# Altium PCB Velvet ADC v2.0.PcbDoc
Units mm, origin at the board's own origin, x right, y up, seen from the top; angles counter-clockwise.
Board outline 103.38 x 78.38 mm, 4 copper layers (Top Layer, INT1, INT2, Bottom Layer), stack 1.46 mm thick; 94 components, 47 nets, 293 pads, 88 vias.
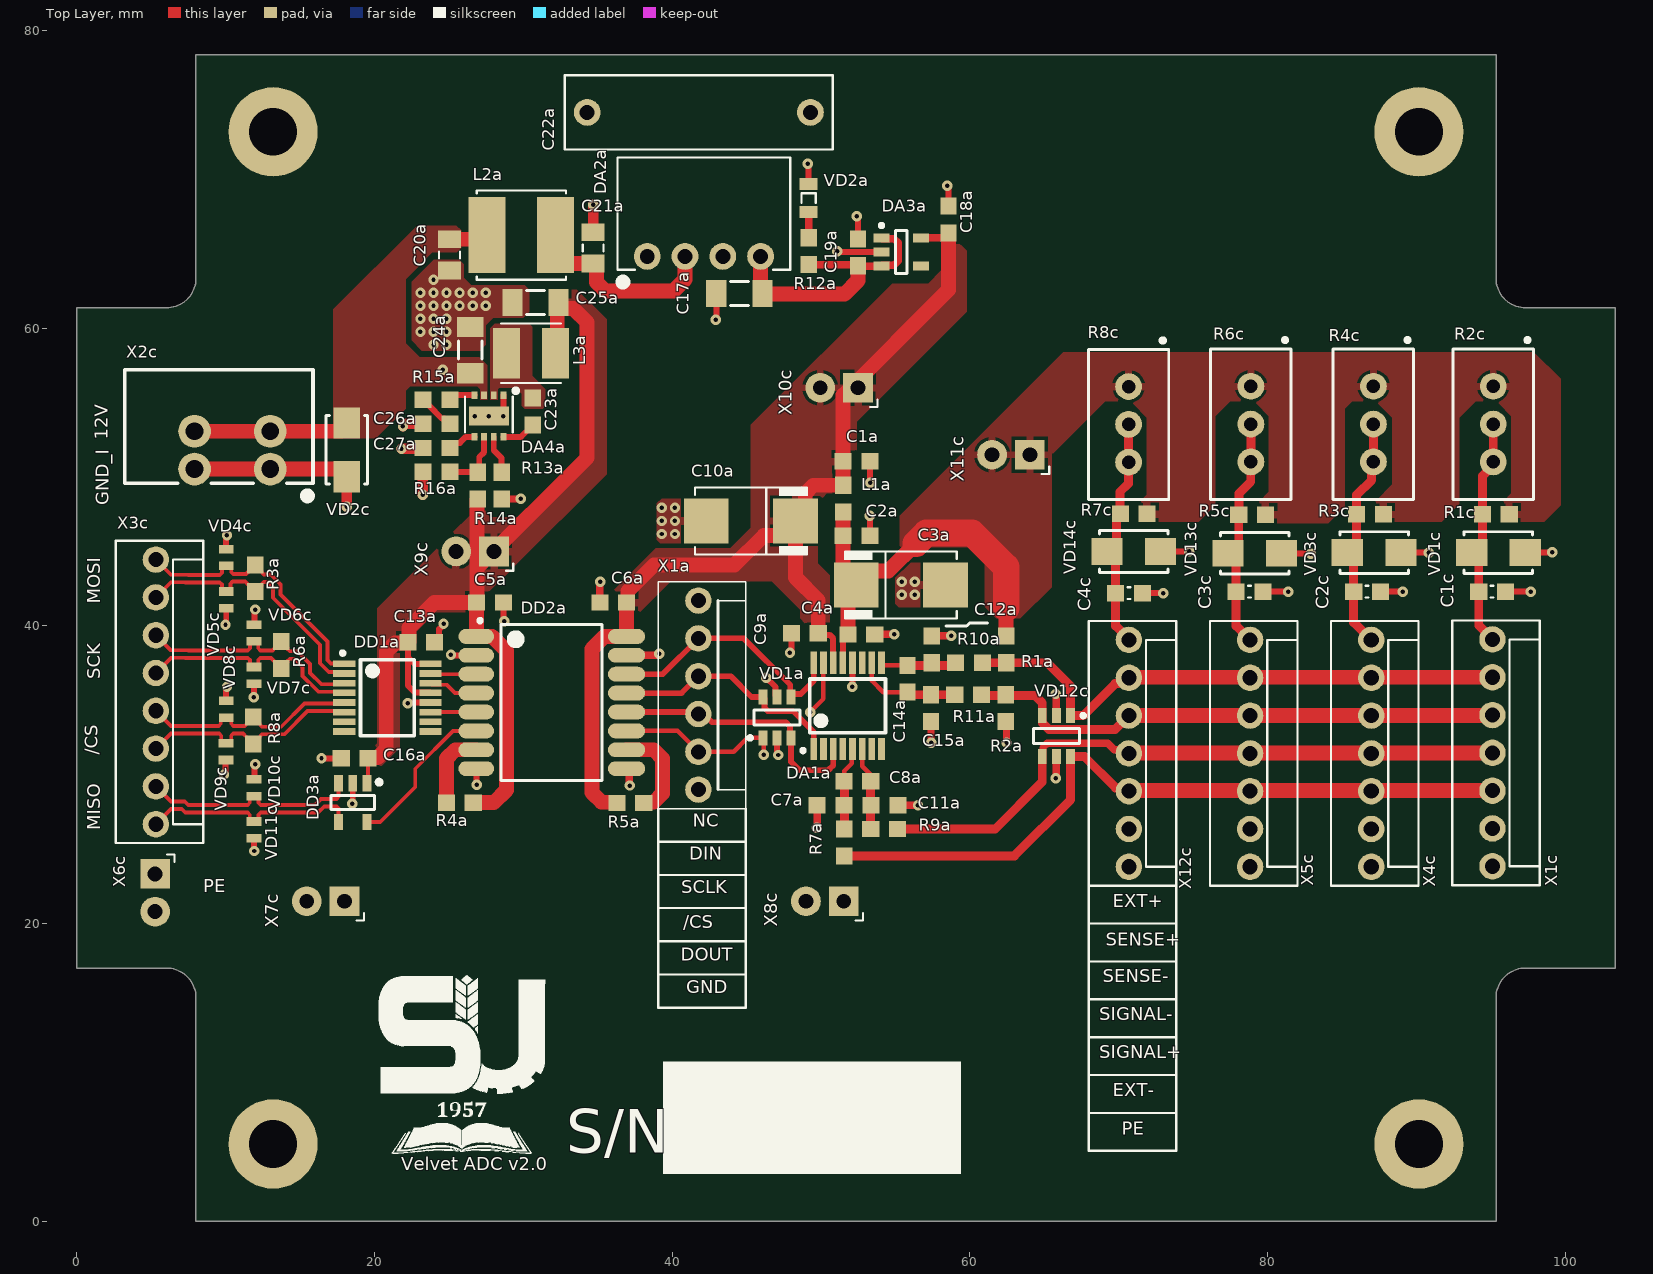
[diagram p0: Top Layer view]
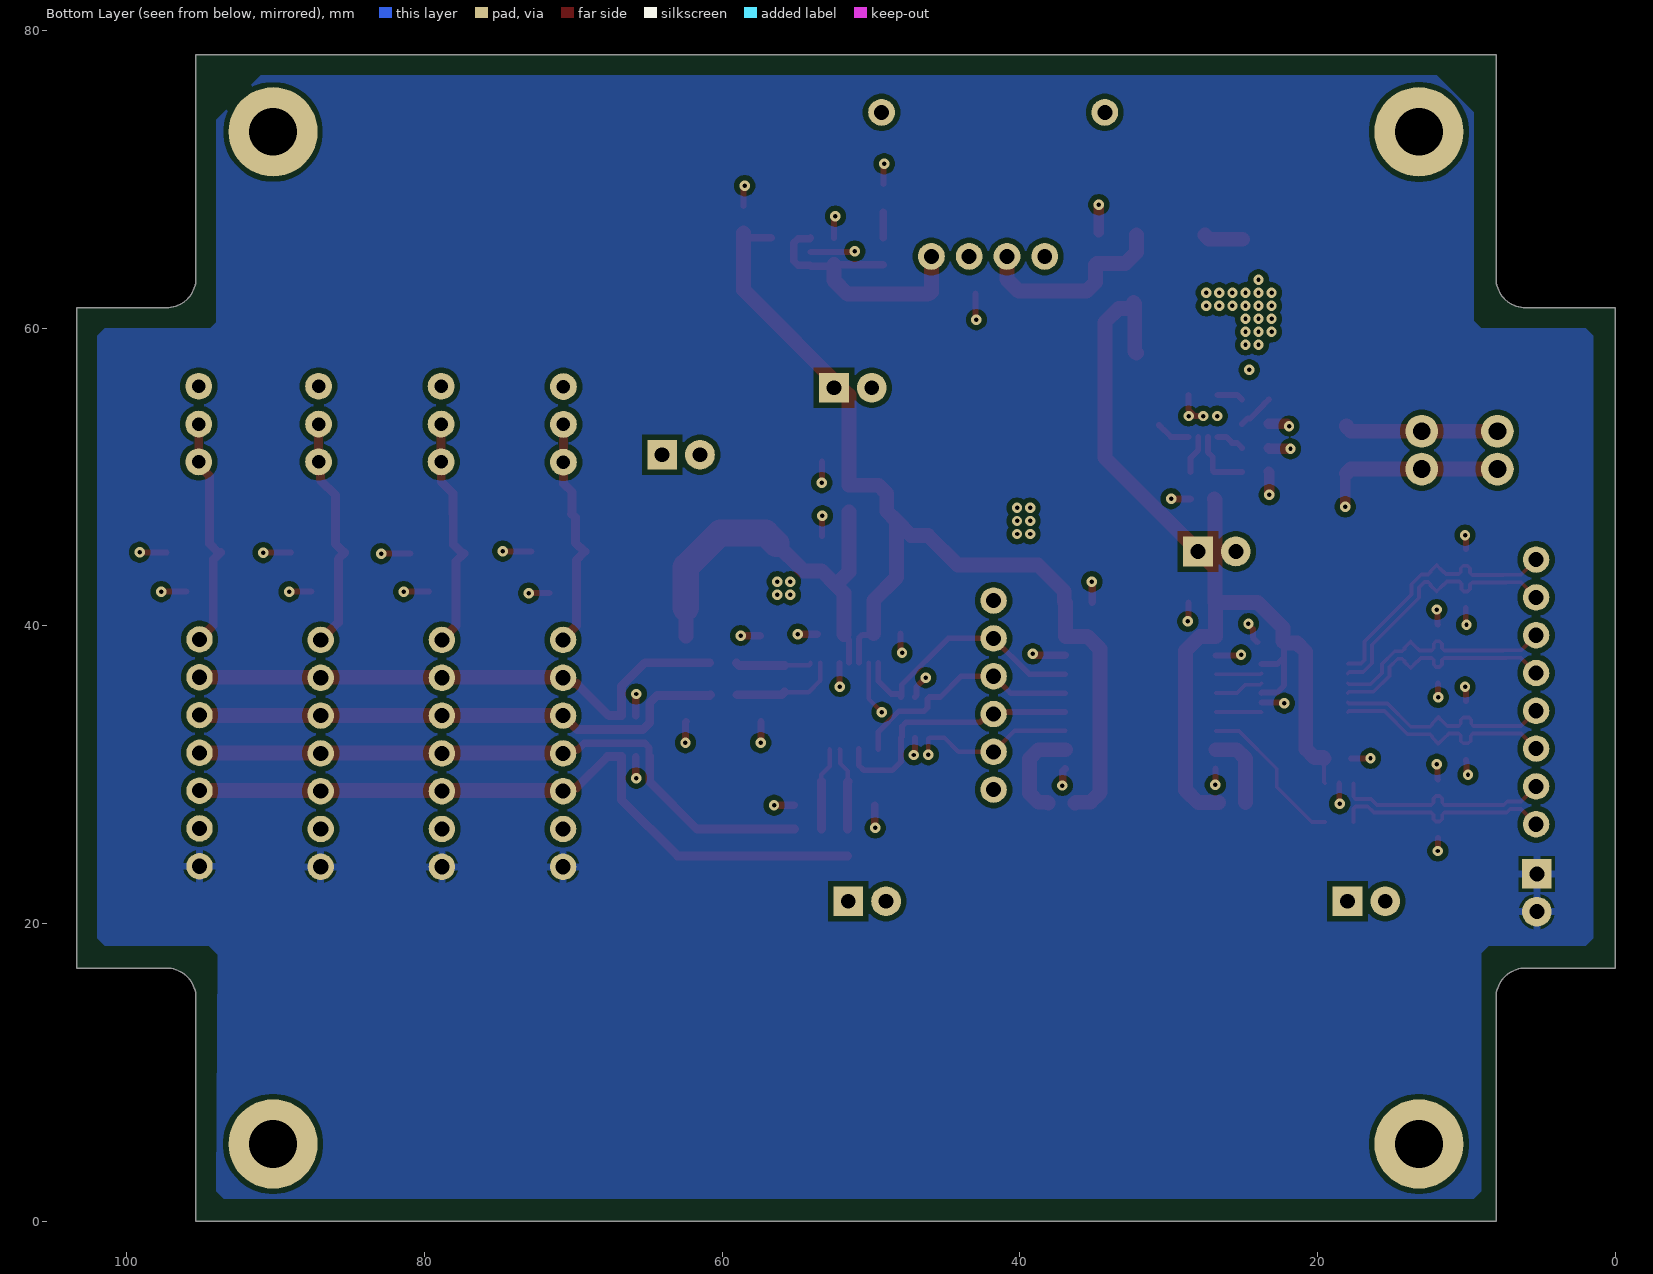
[diagram p1: Bottom Layer view, seen from below]
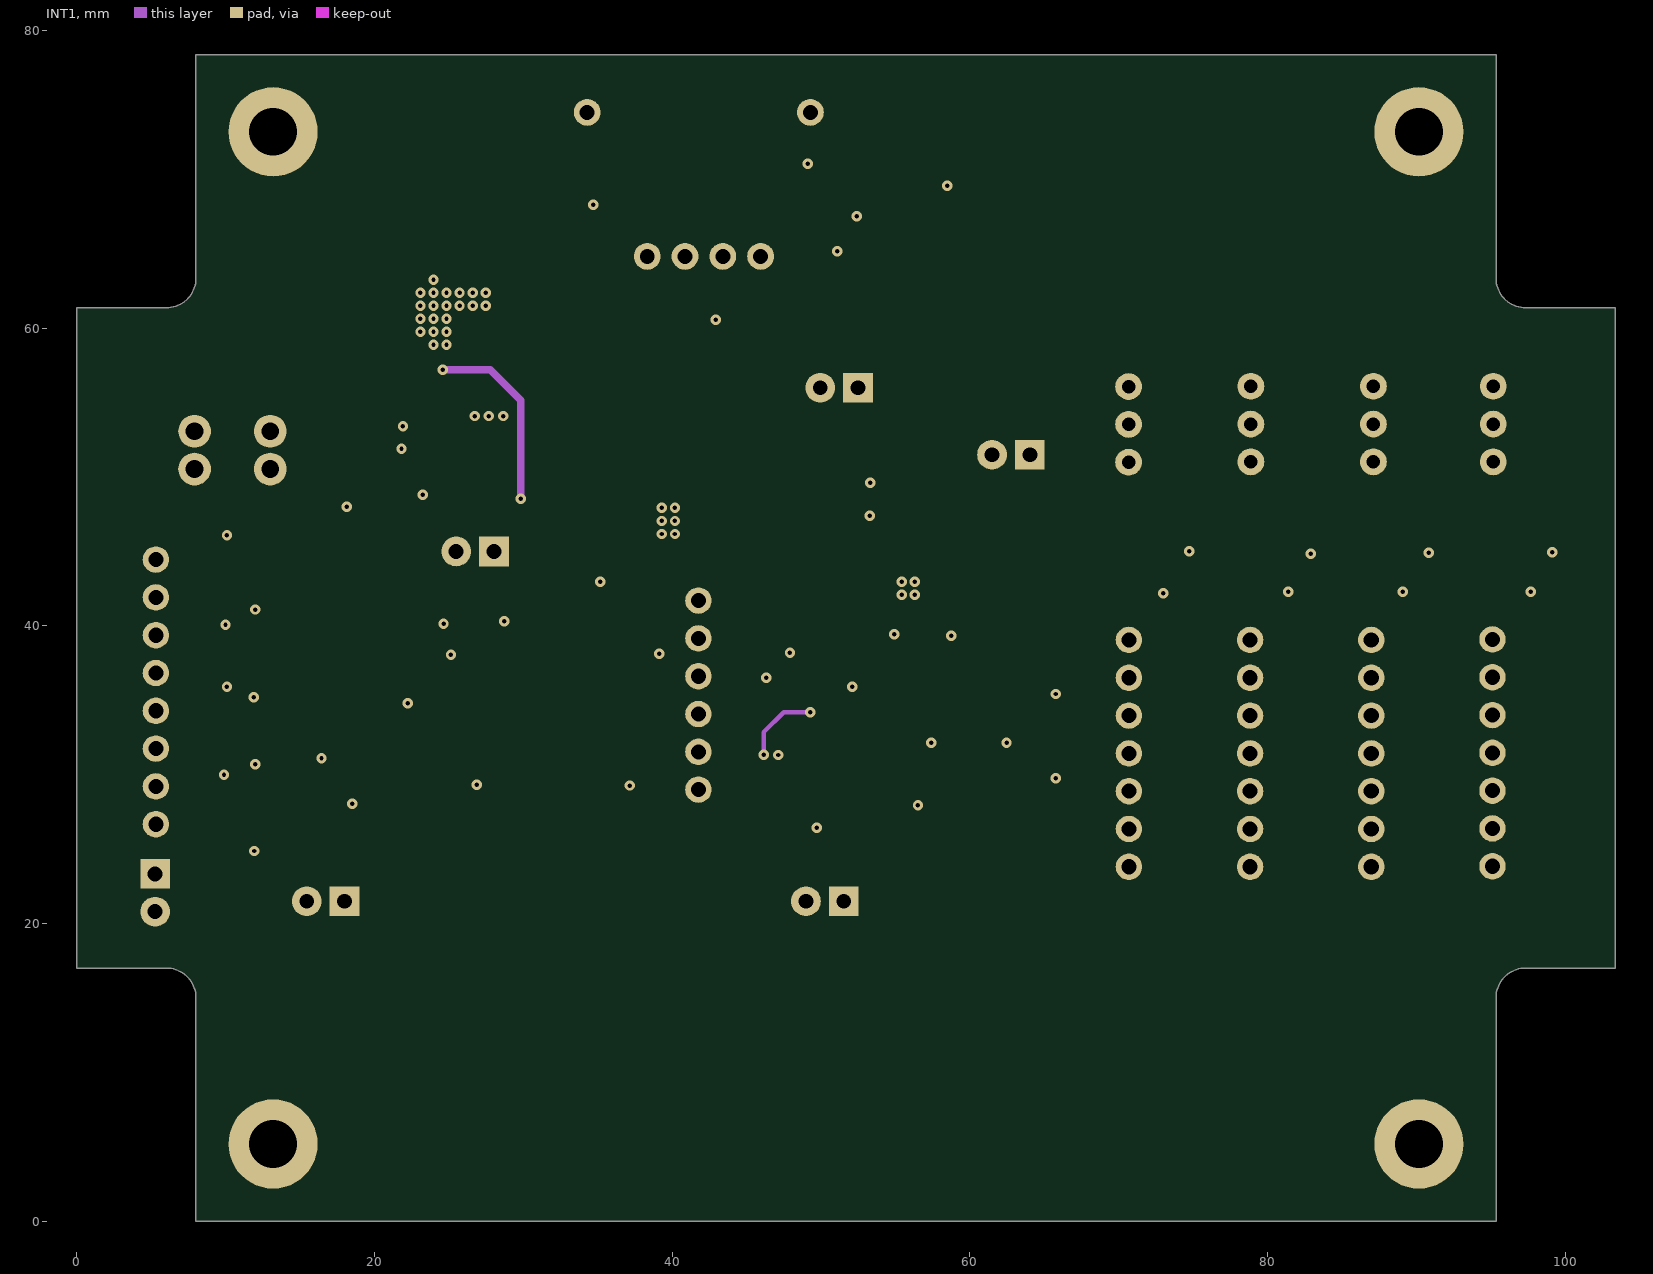
[diagram p2: INT1]
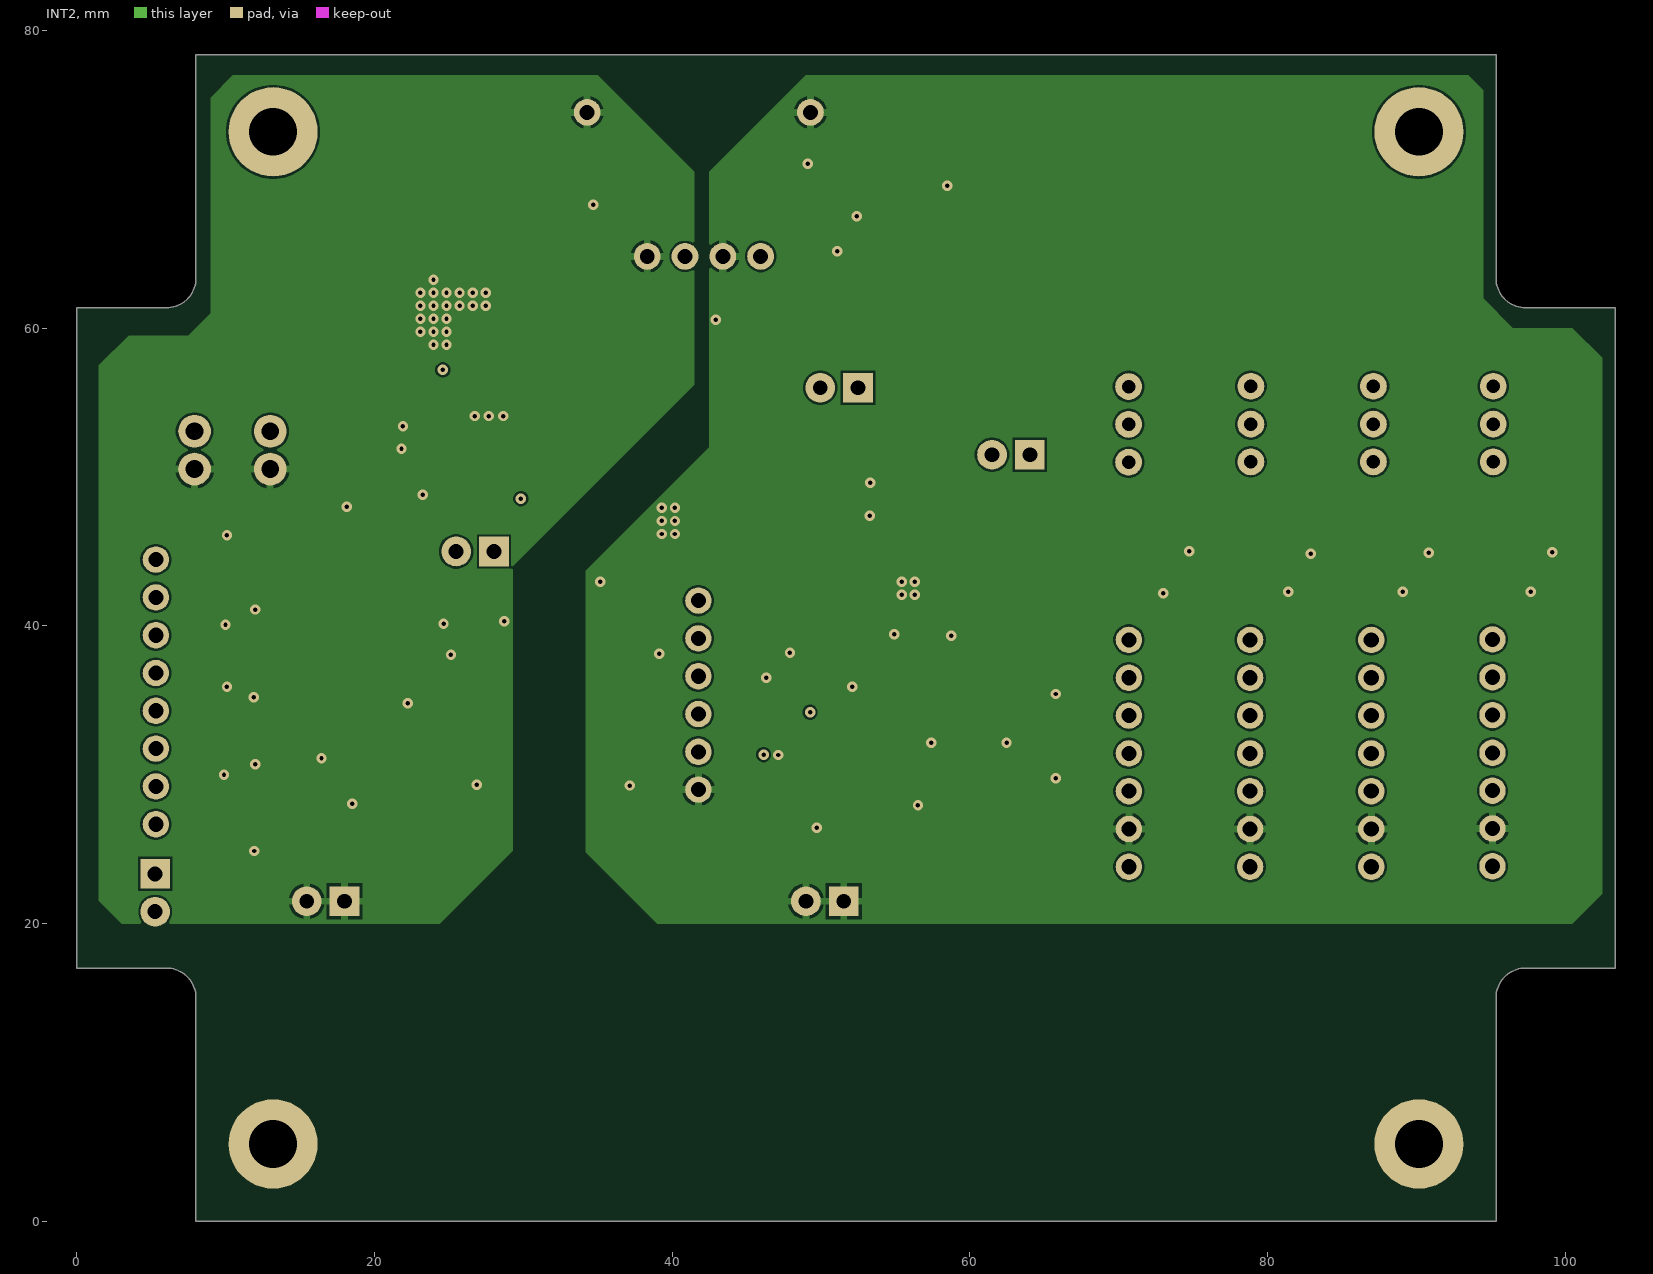
[diagram p3: INT2]

## Layer stack, top to bottom
Top Solder: solder mask 0.02, Solder Resist, Dk 3.5
Top Layer: signal copper 0.035
Dielectric 2: prepreg 0.11, PP-006, Dk 4.1
INT1: signal copper 0.035
Dielectric 1: dielectric 1.1, FR-4, Dk 4.8
INT2: signal copper 0.035
Dielectric 3: prepreg 0.11, PP-006, Dk 4.1
Bottom Layer: signal copper 0.035
Bottom Solder: solder mask 0.02, Solder Resist, Dk 3.5

## Board outline
0,17.015 6.015,17.015 6.017,17.014 cw(c6.017,15.014) 8.017,15.014 8.015,15.015 8.015,0 95.365,0 95.365,15.015 95.363,15.014 cw(c97.363,15.014) 97.363,17.014 97.365,17.015 103.38,17.015 103.38,61.365 97.365,61.365 97.363,61.366 cw(c97.363,63.366) 95.363,63.366 95.365,63.365 95.365,78.38 8.015,78.38 8.015,63.365 8.017,63.366 cw(c6.017,63.366) 6.017,61.366 6.015,61.365 0,61.365

## Design rules (kind name [scope] priority, off if disabled: settings)
Clearance Bottom [OnLayer('Bottom Layer')] p1: gap=0.15 ignorepadtopadclearanceinfootprint=FALSE except(0.35: Arc-Fill Arc-Poly Arc-Region Track-Fill Track-Poly Track-Region SMDPad-Fill SMDPad-Poly SMDPad-Region THPad-Fill THPad-Poly THPad-Region Via-Fill Via-Poly Via-Region Fill-Fill Fill-Poly Fill-Region Fill-Text Poly-Poly Poly-Region Poly-Text Region-Region Region-Text)
Clearance [All] p2: gap=0.15 ignorepadtopadclearanceinfootprint=FALSE
ComponentClearance "Battery holder" [All] p1: gap=-20 collisioncheckmode=3 verticalgap=-20 showdistances=FALSE
ComponentClearance Inductor [InComponent('L1or')] p2: gap=-2 collisioncheckmode=3 verticalgap=-2 showdistances=FALSE
ComponentClearance "Terminal block" [InComponent('X1or')] p3: gap=-1 collisioncheckmode=3 verticalgap=-1 showdistances=FALSE
ComponentClearance [All] p4: gap=0.25 collisioncheckmode=3 verticalgap=0.25 showdistances=FALSE
DiffPairsRouting [All] p1: maxlimit=0.25 minlimit=0.15 mostfreqgap=0.25 toplayer_minwidth=0.15 toplayer_maxwidth=0.254 toplayer_prefwidth=0.254 midlayer1_minwidth=0.15 midlayer1_maxwidth=0.254 midlayer1_prefwidth=0.254 midlayer2_minwidth=0.15 midlayer2_maxwidth=0.254 midlayer2_prefwidth=0.254 bottomlayer_minwidth=0.15 bottomlayer_maxwidth=0.254 bottomlayer_prefwidth=0.254 maxuncoupledlength=12.7
Height [All] p1: minheight=0 maxheight=45 prefheight=12.7
HoleSize [All] p1: absolutevalues=TRUE maxlimit=8 minlimit=0.2 maxpercent=80.000 minpercent=20.000
HoleToHoleClearance [All] p1: gap=0.249 allowstackedmicrovias=TRUE
MinimumAnnularRing [All] p1: minimumring=0
MinimumSolderMaskSliver AP63357QVS [HasFootprint('AP63357QZV-7-Footprint-1')] p1: minsoldermaskwidth=0
MinimumSolderMaskSliver Jumper [HasFootprint('JUMPER-Footprint-1')] p2: minsoldermaskwidth=0
MinimumSolderMaskSliver VQFN [HasFootprint('VQFN-24 4x4 P0.5 EP-2.45x2.45')] p3: minsoldermaskwidth=0.01
MinimumSolderMaskSliver TSSOP_3 [HasFootprint('TSOP65P490X110_HS-13N')] p4: minsoldermaskwidth=0.09
MinimumSolderMaskSliver TSSOP_2 [HasFootprint('TSOP65P640X110_HS-17N')] p5: minsoldermaskwidth=0.09
MinimumSolderMaskSliver TSSOP_1 [HasFootprint('MCHP-TSSOP-ST14_V')] p6: minsoldermaskwidth=0.05
MinimumSolderMaskSliver VQFN20 [HasFootprint('VQFN-20 + EP')] p7: minsoldermaskwidth=0.01
NetAntennae Jumpers [HasFootprint('JUMPER-Footprint-1')] p1: netantennaetolerance=3
NetAntennae [All] p2: netantennaetolerance=0
PasteMaskExpansion [All] p1: expansion=0.102
PlaneClearance [All] p1: clearance=0.381
PlaneConnect [All] p1: pad.planeconnectstyle=Relief pad.reliefexpansion=0.508 pad.reliefentries=4 pad.reliefconductorwidth=0.254 pad.reliefairgap=0.254 via.planeconnectstyle=Direct via.reliefexpansion=0.508 via.reliefentries=4 via.reliefconductorwidth=0.254 via.reliefairgap=0.254
PolygonConnect direct [InPolygonClass('Direct')] p1: connectstyle=Direct reliefconductorwidth=0.254 reliefentries=4 polygonreliefangle="90 Angle" airgapwidth=0.254
PolygonConnect "wide connection" [All] p2: thpad.connectstyle=Relief thpad.reliefconductorwidth=0.5 thpad.reliefentries=4 thpad.polygonreliefangle="90 Angle" thpad.airgapwidth=0.2 smdpad.connectstyle=Relief smdpad.reliefconductorwidth=0.5 smdpad.reliefentries=4 smdpad.polygonreliefangle="90 Angle" smdpad.airgapwidth=0.2 via.connectstyle=Direct via.reliefconductorwidth=0.254 via.reliefentries=4 via.polygonreliefangle="90 Angle" via.airgapwidth=0.254
RoutingCorners [All] p1: cornerstyle=45-Degree minsetback=2.5 maxsetback=2.5
RoutingVias [All] p1: holewidth=0.3 width=0.7 viastyle="Through Hole" minholewidth=0.2 minwidth=0.5 maxholewidth=2 maxwidth=5 viatemplateguid#1={0436BACA-B449-4E64-9816-CB24EA07775F} viatemplatename#1=v70h30m0mx0
SMDEntry [All] p1: side=TRUE corner=FALSE anyangle=TRUE
SMDNeckDown [All] p1: percent=100.000
SilkToSilkClearance [All] p1: silktosilkclearance=0.099
SilkToSolderMaskClearance dcdc5V [InComponent('DA1s5')] p1: minsilkscreentomaskgap=0 clearancetoexposedcopper=TRUE
SilkToSolderMaskClearance [IsPad] p2: minsilkscreentomaskgap=0.124 clearancetoexposedcopper=TRUE
SolderMaskExpansion [IsVia And InLayerClass('All Layers')] p1: expansion=0.102 istentingtop=TRUE
Width [All] p1: maxlimit=10 minlimit=0.15 preferedwidth=0.25
17 further rules are at their usual default settings.

## Classes and differential pairs
polygon class Direct: 12VISO_POLY DCDC3V_POLY GNDI0_POLY
component class Connectors: C1c C2c C3c C4c R1c R2c R3c R4c R5c R6c R7c R8c VD1c VD2c VD3c VD4c VD5c VD6c VD7c VD8c VD9c VD10c VD11c VD12c VD13c VD14c X1c X2c X3c X4c X5c X6c X8c X9c X10c X11c X12c XP1c XP2c XP3c XP4c XP5c
component class ADC: C1a C2a C3a C4a C7a C8a C10a C11a C12a C14a C16a C24a C26a DA1a DA2a DA3a DA4a DD1a DD2a DD3a L1a L3a R1a R2a R3a R4a R5a R6a R7a R9a R11a R13a R14a R15a R16a VD1a VD2a X1a
differential pair LVDS_ADC_SCK: +LVDS_ADC_SCK_P -LVDS_ADC_SCK_N
differential pair LVDS_ADC_MOSI: +LVDS_ADC_MOSI_P -LVDS_ADC_MOSI_N
differential pair LVDS_ADC_MISO: +LVDS_ADC_MISO_P -LVDS_ADC_MISO_N
differential pair LVDS_ADC_CS: +LVDS_ADC_CS_P -LVDS_ADC_CS_N

## Components (designator, comment, footprint, x,y, rotation, side; value= is the part's Value field where it differs from the comment)
C1a "TMK107BJ105KA-T" "CAP 0603 IPC MAX" 52.4,51.05 r0 top
C1c "TMK107BJ105KA-T" "CAP 0603 IPC MAX" 95.1,42.3 r180 top
C2a "TMK107BJ105KA-T" "CAP 0603 IPC MAX" 52.4,46.05 r0 top
C2c "TMK107BJ105KA-T" "CAP 0603 IPC MAX" 86.7,42.3 r180 top
C3a "TAJD106M035RNJ" "CAP 2917 (D)" 55.375,42.75 r0 top
C3c "TMK107BJ105KA-T" "CAP 0603 IPC MAX" 78.8,42.3 r180 top
C4a "GCM188R71H104KA57D" "CAP 0603 IPC MAX" 52.725,39.425 r0 top
C4c "TMK107BJ105KA-T" "CAP 0603 IPC MAX" 70.7,42.2 r180 top
C5a "GCM188R71H104KA57D" "CAP 0603 IPC MAX" 27.775,41.575 r180 top
C6a "GCM188R71H104KA57D" "CAP 0603 IPC MAX" 36.05,41.575 r180 top
C7a "GCM188R71H104KA57D" "CAP 0603 IPC MAX" 50.65,27.95 r0 top
C8a "TMK107BJ105KA-T" "CAP 0603 IPC MAX" 52.45,29.55 r0 top
C9a "GCM188R71H104KA57D" "CAP 0603 IPC MAX" 48.925,39.5 r180 top
C10a "TAJD106M035RNJ" "CAP 2917 (D)" 45.3,47.05 r180 top
C11a "GCM188R71H104KA57D" "CAP 0603 IPC MAX" 54.275,27.95 r0 top
C12a "GCM188R71H104KA57D" "CAP 0603 IPC MAX" 57.45,38.425 r270 top
C13a "GCM188R71H104KA57D" "CAP 0603 IPC MAX" 23.15,38.9 r0 top
C14a "TMK107BJ105KA-T" "CAP 0603 IPC MAX" 55.825,36.45 r270 top
C15a "GCM188R71H104KA57D" "CAP 0603 IPC MAX" 57.4,34.475 r270 top
C16a "GCM188R71H104KA57D" "CAP 0603 IPC MAX" 18.675,31.1 r180 top
C17a "CL31B106KAHNNNE" "CAP 1206 IPC MAX" 44.525,62.325 r180 top
C18a "TMK107BJ105KA-T" "CAP 0603 IPC MAX" 58.575,67.3 r90 top
C19a "TMK107BJ105KA-T" "CAP 0603 IPC MAX" 52.5,65.1 r90 top
C20a "CL21A475KBQNNNE" "CAP 0805 IPC MAX" 25.05,64.925 r270 top
C21a "CL21A475KBQNNNE" "CAP 0805 IPC MAX" 34.7,65.4 r90 top
C22a "PHE448SB3270JR06" "CAP RADIAL L18.0 W5.0 H10.5 P15.0" 41.8,74.5 r180 top
C23a "GCM188R71H104KA57D" "CAP 0603 IPC MAX" 30.65,54.4 r90 top
C24a "CL31B106KAHNNNE" "CAP 1206 IPC MAX" 26.45,58.525 r90 top
C25a "CL31B106KAHNNNE" "CAP 1206 IPC MAX" 30.825,61.725 r180 top
C26a "GRM1885C1H152JA01D" "CAP 0603 IPC MAX" 24.175,53.575 r180 top
C27a "TMK107BJ105KA-T" "CAP 0603 IPC MAX" 24.175,51.95 r180 top
DA1a "AD7797BRUZ" TSSOP-16 51.8,34.625 r90 top
DA2a "B1212M-2WR3" B1212M-2WR3 42.145,64.825 r0 top
DA3a "NCP718ASN500T1G" TSOT-23-5 55.4,65.125 r0 top
DA4a "AOZ6663DI" "DFN 3x3-8L" 27.7,54.1 r180 top
DD1a "DSLVDS1048PWR" TSSOP-16 20.875,35.175 r0 top
DD2a "ISO7741BDW" "SOIC-16 IPC MAX" 31.9,34.85 r0 top
DD3a "FIN1001M5X" SOT-23-5 18.55,28.125 r180 top
L1a "742792651" "IND 0603 IPC MAX" 51.5,48.55 r270 top
L2a "VLS6045EX-6R8M" VLS6045EX 29.875,66.25 r0 top
L3a "ASPI-4030S-100M-T" ASPI-4030S 30.525,58.325 r0 top
R1a "RMCF0603ZT0R00" "RES 0603 IPC MAX" 62.45,38.425 r90 top
R1c "DNP" "RES 0603 IPC MAX" 95.35,47.5 r180 top
R2a "RMCF0603ZT0R00" "RES 0603 IPC MAX" 62.425,34.475 r270 top
R2c "PV36W500C01B00" "RES: 3296W" 95.175,56.1 r270 top
R3a "RMCF0603FT100R" "RES 0603 IPC MAX" 12,43.2 r270 top
R3c "DNP" "RES 0603 IPC MAX" 86.9,47.5 r180 top
R4a "RMCF0603FT4K70" "RES 0603 IPC MAX" 25.75,28.125 r0 top
R4c "PV36W500C01B00" "RES: 3296W" 87.125,56.1 r270 top
R5a "RMCF0603FT4K70" "RES 0603 IPC MAX" 37.2,28.1 r0 top
R5c "DNP" "RES 0603 IPC MAX" 78.975,47.475 r180 top
R6a "RMCF0603FT100R" "RES 0603 IPC MAX" 13.75,38.05 r90 top
R6c "PV36W500C01B00" "RES: 3296W" 78.892,56.1 r270 top
R7a "RMCF0603FT100R" "RES 0603 IPC MAX" 51.575,25.45 r90 top
R7c "DNP" "RES 0603 IPC MAX" 71.025,47.525 r180 top
R8a "RMCF0603FT100R" "RES 0603 IPC MAX" 11.875,32.975 r270 top
R8c "PV36W500C01B00" "RES: 3296W" 70.675,56.08 r270 top
R9a "RMCF0603FT100R" "RES 0603 IPC MAX" 54.25,26.35 r180 top
R10a "RMCF0603FT100R" "RES 0603 IPC MAX" 59.95,37.525 r180 top
R11a "RMCF0603FT100R" "RES 0603 IPC MAX" 59.9,35.375 r180 top
R12a "RMCF0603FT2K00" "RES 0603 IPC MAX" 49.175,65.175 r270 top
R13a "RMCF0603FT100K" "RES 0603 IPC MAX" 28.55,49.425 r90 top
R14a "RMCF0603FT68K0" "RES 0603 IPC MAX" 26.95,49.425 r90 top
R15a "RMCF0603FT22K0" "RES 0603 IPC MAX" 24.175,55.2 r0 top
R16a "RMCF0603FT15K0" "RES 0603 IPC MAX" 24.175,50.35 r0 top
VD1a "ESDA6V1BC6" SOT-23-6 47.05,33.85 r90 top
VD1c "SMAJ5.0CA" "DO-214AC Bidirectional" 95.525,44.925 r180 top
VD2a "LTST-S220GKT" "0805 DIODE" 49.175,68.75 r90 top
VD2c "SMAJ12CA-TR" "DO-214AC Bidirectional" 18.15,51.825 r270 top
VD3c "SMAJ5.0CA" "DO-214AC Bidirectional" 87.175,44.925 r180 top
VD4c "SP1103C-01UTG" "2-DFN 1.6x1.0" 10.05,44.6 r270 top
VD5c "SP1103C-01UTG" "2-DFN 1.6x1.0" 10.05,41.75 r90 top
VD6c "SP1103C-01UTG" "2-DFN 1.6x1.0" 11.925,39.525 r270 top
VD7c "SP1103C-01UTG" "2-DFN 1.6x1.0" 11.925,36.675 r90 top
VD8c "SP1103C-01UTG" "2-DFN 1.6x1.0" 10.05,34.4 r270 top
VD9c "SP1103C-01UTG" "2-DFN 1.6x1.0" 10.025,31.55 r90 top
VD10c "SP1103C-01UTG" "2-DFN 1.6x1.0" 11.925,29.125 r270 top
VD11c "SP1103C-01UTG" "2-DFN 1.6x1.0" 11.925,26.3 r90 top
VD12c "ESDA6V1BC6" SOT-23-6 65.825,32.6 r270 top
VD13c "SMAJ5.0CA" "DO-214AC Bidirectional" 79.15,44.875 r180 top
VD14c "SMAJ5.0CA" "DO-214AC Bidirectional" 71.025,45 r180 top
X1a "640456-6" 640456-6 41.775,35.35 r270 top
X1c "640456-7" 640456-7 95.125,31.47 r270 top
X2c "KF141V-2.54-2P" KF141V-2.54-2P 13.005,50.535 r90 top
X3c "640456-8" 640456-8 5.325,35.565 r270 top
X4c "640456-7" 640456-7 86.983,31.435 r270 top
X5c "640456-7" 640456-7 78.842,31.435 r270 top
X6c "CON 2P" "2P TH 2.54mm" 5.275,23.34 r270 top
X7c "CON 2P" "2P TH 2.54mm" 18,21.5 r180 top
X8c "CON 2P" "2P TH 2.54mm" 51.54,21.5 r180 top
X9c "CON 2P" "2P TH 2.54mm" 28.04,45 r180 top
X10c "CON 2P" "2P TH 2.54mm" 52.5,56 r180 top
X11c "CON 2P" "2P TH 2.54mm" 64.04,51.5 r180 top
X12c "640456-7" 640456-7 70.7,31.435 r270 top
